# Allegro board BeagleBone_AI-64_Rev_B1_PCB_220602.brd (continued)
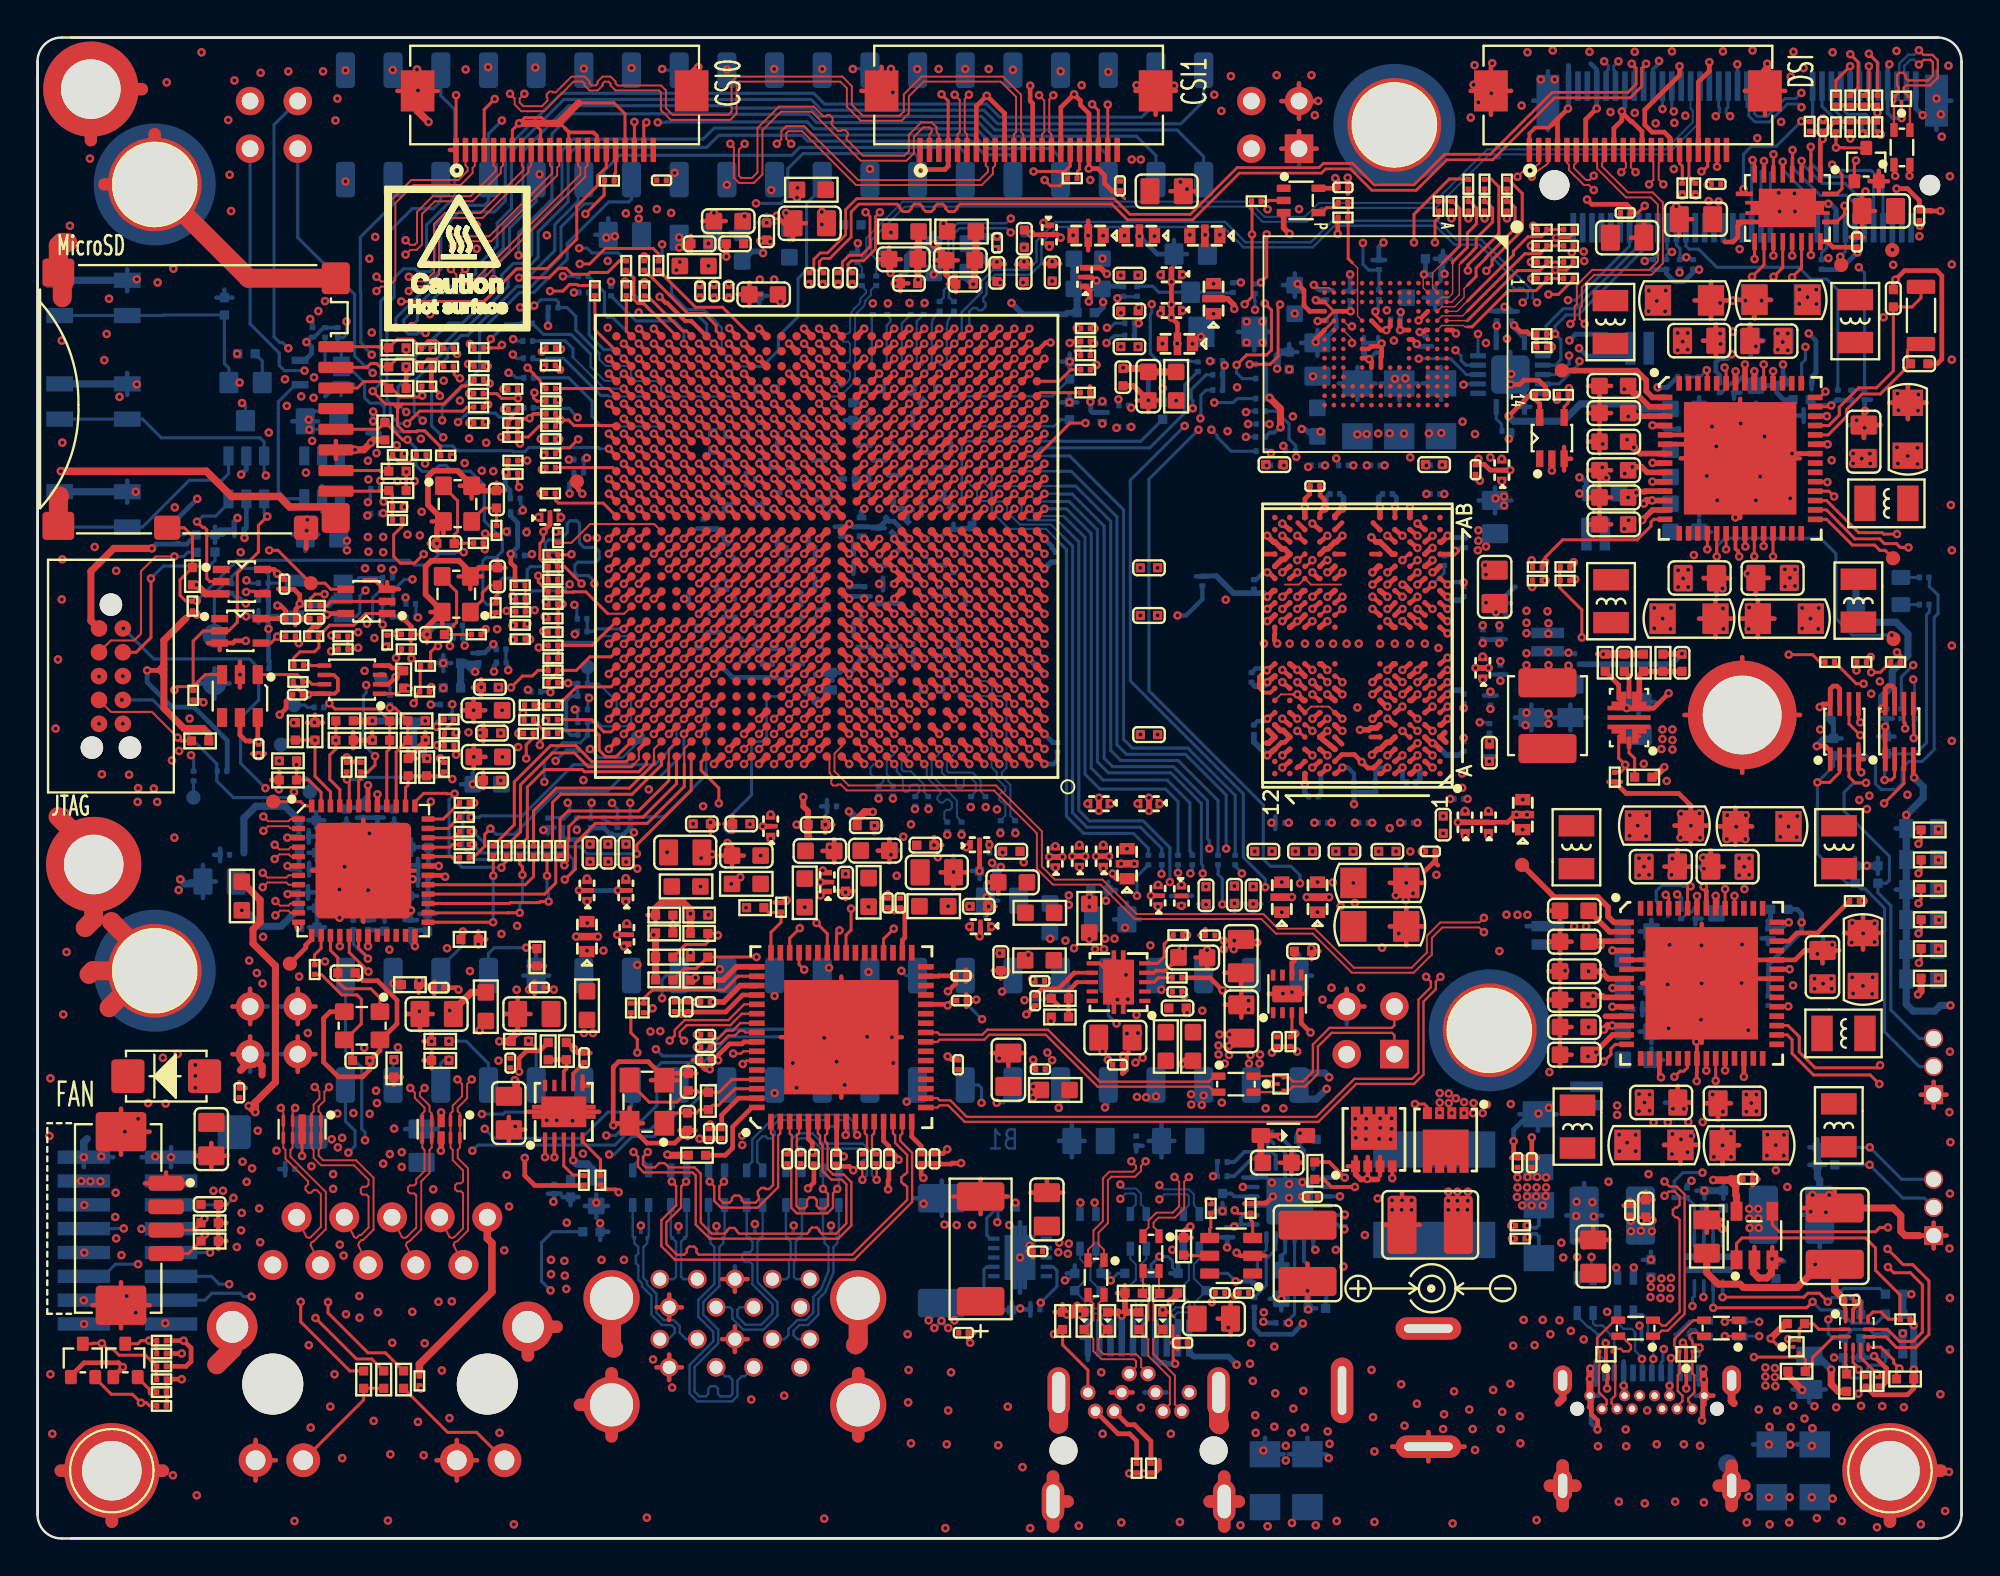
[diagram p0: board, top side]
## Placement (name value [footprint] x y rotation side) (continued)
R276  10K  [R0201]  60.76 32.16 180 top
R277  1.87K  [R0402]  54.46 27.79 0 top
R278  0R  [R0201]  29.69 66.5 90 top
R279  0R  [R0201]  30.46 72.37 0 top
R280  0R  [R0201]  31.36 67.85 90 top
R281  0R  [R0201]  31.37 66.5 90 top
R282  0R  [R0201]  32.32 67.85 90 top
R283  0R  [R0201]  32.33 66.49 90 top
R284  0R  [R0201]  33.08 67.85 90 top
R285  4.7K  [R0402]  33.39 33.23 180 top
R286  4.7K  [R0402]  33.39 32.28 0 top
R287  4.7K  [R0402]  33.39 29.77 0 top
R288  0R  [R0201]  31.61 28.28 90 top
R289  0R  [R0201]  32.29 28.28 90 top
R290  9.53K  [R0402]  35.13 20.43 0 top
R291  4.7K  [R0402]  35.24 33.23 180 top
R292  4.7K  [R0402]  35.24 32.25 180 top
R293  4.7K  [R0402]  35.24 30.99 180 top
R294  4.7K  [R0402]  35.24 29.76 180 top
R295  1M  [R0402]  35.74 23.32 90 top
R296  20K  [R0402]  38.23 33.62 0 top
R297  10K  [R0201]  39.61 33.65 270 top
R298  100K  [R0402]  54.61 11.6 90 top
R299  4.99K  [R0402]  54.46 28.79 180 top
R300  0R  [R0201]  55.12 72.5 0 top
R301  10K  [R0201]  55.81 61.07 0 top
R302  0R  [R0201]  55.83 64.5 0 top
R303  47K  [R0201]  55.83 63.79 0 top
R304  33R  [R0201]  55.83 63.06 0 top
R305  33R  [R0201]  55.83 62.3 0 top
R306  909K  [R0402]  96.38 8.3 90 top
R307  100K  [R0402]  58.39 13.07 180 top
R308  0R  [R0201]  58.55 3.75 90 top
R309  0R  [R0201]  59.32 3.75 90 top
R310  4.7K  [R0402]  33.39 30.99 0 top
R311  100K  [R0402]  60.25 13.07 180 top
R312  52.3K  [R0402]  61.06 15.57 90 top
R313  0R  [R0201]  98.08 8.38 90 top
R314  10K  [R0201]  62.5 17.59 270 top
R315  10K  [R0201]  64.63 17.6 90 top
R316  0R  [R0201]  64.93 71.28 0 top
R317  10K  [R0201]  66.75 26.48 270 top
R318  10R  [R0402]  68.04 19.6 270 top
R319  33R  [R0201]  69.54 71.19 0 top
R320  47K  [R0201]  69.54 70.41 0 top
R321  33R  [R0201]  74.63 71.01 90 top
R322  47K  [R0201]  75.32 71.01 90 top
R323  33R  [R0201]  76.22 72.18 270 top
R324  47K  [R0201]  76.22 71.01 90 top
R325  33R  [R0201]  77.09 72.18 270 top
R326  47K  [R0201]  77.09 71.01 90 top
R327  33R  [R0201]  78.28 72.18 270 top
R328  47K  [R0201]  78.28 71.01 90 top
R329  10K  [R0201]  79.9 51.77 0 top
R330  2.2K  [R0201]  79.9 51.06 0 top
R331  10K  [R0201]  80.13 64.2 0 top
R332  10K  [R0201]  80.13 63.49 0 top
R333  47K  [R0201]  80.15 69.77 0 top
R334  47K  [R0201]  80.15 68.9 0 top
R335  47K  [R0201]  80.15 68.03 0 top
R336  47K  [R0201]  80.15 67.16 0 top
R337  10K  [R0201]  81.28 60.96 0 top
R338  0R  [R0201]  81.37 51.78 180 top
R339  0R  [R0201]  81.37 51.06 180 top
R340  33R  [R0201]  81.55 69.77 180 top
R341  33R  [R0201]  81.55 68.9 180 top
R342  33R  [R0201]  81.55 68.03 180 top
R343  33R  [R0201]  81.55 67.16 180 top
R344  8.06K  [R0402]  83.51 46.68 90 top
R345  10K  [R0201]  84.02 40.58 270 top
R346  100K  [R0402]  85.55 46.68 90 top
R347  100K  [R0402]  85.55 40.58 180 top
R348  82.5K  [R0402]  86.59 46.68 270 top
R349  0R  [R0201]  87.62 71.98 90 top
R350  13K  [R0402]  98.91 9.85 180 bottom
R351  0R  [R0201]  88.31 71.98 90 top
R352  20K  [R0402]  98.91 10.91 180 bottom
R353  100K  [R0402]  98.5 42.28 90 bottom
R354  20K  [R0402]  98.91 11.95 180 bottom
R355  11K  [R0402]  98.91 13.02 180 bottom
R356  100K  [R0402]  95.68 42.18 90 bottom
R357  10K  [R0201]  94.41 75.26 270 top
R358  10K  [R0201]  95.81 76.66 90 top
R359  10K  [R0201]  95.81 75.24 270 top
R360  10K  [R0201]  96.57 76.66 90 top
R361  47K  [R0201]  96.57 75.24 270 top
R362  0R  [R0201]  96.79 33.98 180 top
R363  10K  [R0201]  97.3 76.66 90 top
R364  10K  [R0201]  97.3 75.24 270 top
R365  1K  [R0402]  100.8 29.86 0 top
R366  10K  [R0201]  98.02 76.66 90 top
R367  10K  [R0201]  98.02 75.24 270 top
R368  1K  [R0402]  100.8 37.77 0 top
R369  1K  [R0402]  100.8 36.17 0 top
R370  1K  [R0402]  100.8 34.64 0 top
R371  1K  [R0402]  100.8 32.98 0 top
R372  1K  [R0402]  100.8 31.44 0 top
R373  0R  [R0201]  99.29 43.96 270 bottom
R374  10K  [R0201]  6.6 9.86 180 top
R375  0R  [R0201]  100 43.96 270 bottom
R376  10K  [R0201]  6.6 8.49 180 top
R377  0R  [R0201]  10.34 50.64 270 bottom
R378  0R  [R0201]  97.18 46.71 0 top
R379  0R  [R0201]  98.98 46.71 0 top
R380  10K  [R0201]  97.39 8.38 90 top
R381  10K  [R0201]  99.49 11.69 180 top
R382  10K  [R0201]  6.6 7.8 180 top
R383  10K  [R0201]  6.6 7.07 180 top
R384  10K  [R0201]  6.6 10.55 180 top
R385  10K  [R0201]  6.6 9.17 180 top
R386  33R  [R0201]  16.83 32.7 90 bottom
R387  33R  [R0201]  18.78 44.69 90 bottom
R388  33R  [R0201]  14.99 44.3 180 bottom
R389  33R  [R0201]  13.85 40.82 270 bottom
R390  33R  [R0201]  14.23 42.55 180 bottom
R391  33R  [R0201]  8.32 40.64 270 bottom
R392  0R  [R0201]  78.99 15.98 0 top
R393  0R  [R0201]  78.99 16.68 0 top
R394  10K  [R0201]  98.04 8.37 90 bottom
R395  0R  [R0201]  86.61 33.52 180 bottom
R396  0R  [R0201]  94.26 61.59 180 bottom
R397  47K  [R0201]  100.51 49.78 0 bottom
R398  47K  [R0201]  100.51 51.22 0 bottom
R399  4.7K  [R0805]  88.92 16.09 90 top
R400  0R  [R1206]  67.65 3.08 90 bottom
SW1  Tactile Switch  [SW_4P]  2.98 66.12 0 bottom
SW2  Tactile Switch  [SW_4P]  2.98 60.6 0 bottom
SW3  Tactile Switch  [SW_4P]  2.98 54.85 0 bottom
TP1  Test Point  [TP30C_SMD]  16.84 33.86 90 bottom
TP2  Test Point  [TP30C_SMD]  36.9 37.91 90 bottom
TP3  Test Point  [TP30C_SMD]  31.99 42.71 180 bottom
TP4  Test Point  [TP30C_SMD]  29.3 46.45 180 bottom
TP5  Test Point  [TP30C_SMD]  12.55 39.27 0 top
TP6  Test Point  [TP30C_SMD]  13.44 30.64 0 top
TP7  Test Point  [TP30C_SMD]  14.56 50.92 270 top
TP8  Test Point  [TP30C_SMD]  28.73 56.33 0 top
TP9  Test Point  [TP30C_SMD]  79.08 35.9 270 top
TP10  Test Point  [TP30C_SMD]  81.2 62.26 270 top
TP11  Test Point  [TP30C_SMD]  96.09 67.89 180 top
TP12  Test Point  [TP30C_SMD]  98.8 68.67 180 top
TP13  Test Point  [TP30C_SMD]  98.87 47.94 180 top
TP14  Test Point  [TP30C_SMD]  98.85 52.25 270 top
TP15  Test Point  [TP60C_SMD]  9.42 48.11 90 bottom
TP16  Test Point  [TP60C_SMD]  9.42 45.57 90 bottom
TP17  Test Point  [TP30C_SMD]  18.31 45.82 90 bottom
TP18  Test Point  [TP30C_SMD]  13.66 44.42 90 bottom
TP19  Test Point  [TP30C_SMD]  14.5 39.8 90 bottom
TP20  Test Point  [TP30C_SMD]  12.97 42.31 180 bottom
TP21  Test Point  [TP30C_SMD]  8.3 39.49 90 bottom
U1  TPS2121RUXR  [VQFN12_0D5_2X2_5X1MM]  89.02 14.67 180 bottom
U2  TXS0104ERGYR  [QFN14_0D5_3_5X3_5X1MM]  78.46 62.04 270 bottom
U3  LM5141RGER  [VQFN24_0D5_4X4X1MM]  66.71 17.99 0 bottom
U4  TPS2561DRCR  [VSON10_0D5_3X3X1MM]  52.34 14.98 180 bottom
U5  TPS22918DBVR  [SOT23_6]  15.16 56.56 180 bottom
U6  SN74LVC1G08DCKR  [DCK5_2P15X1P4]  15.09 62.15 270 bottom
U7  24FC04HT-I/OT  [SOT23-5]  14.98 50.11 270 bottom
U8  MAX6817EUT+T  [SOT23_6]  11.12 56.56 0 bottom
U9  TPS74801DRCR  [VSON10_0D5_3X3X1MM]  28.03 22.74 90 top
U10  TPS3808G33DBVR  [SOT23_6]  10.78 44.9 180 top
U11  SN74LVC1G07DCKR  [DCK5_2P15X1P4]  10.8 48.38 270 top
U12  SN74LVC1G07DCKR  [DCK5_2P15X1P4]  10.88 51 270 top
U13  TPD4E05U06DQAR  [USON10_0D5_2D5X1X0D5MM]  14.09 21.81 180 top
U14  SN74LVC2G74DCUR  [SO8_0D5_2_3X2X0_9MM]  16.76 45.78 90 top
U15  DP83867CRRGZR  [QFN48_0D5_7X7MM]  17.35 35.6 0 top
U16  SN74LVC1G08DCKR  [DCK5_2P15X1P4]  17.52 49.95 90 top
U17  TPD4E05U06DQAR  [USON10_0D5_2D5X1X0D5MM]  21.5 21.81 180 top
U18  TPS74801DRCR  [VSON10_0D5_3X3X1MM]  57.59 29.65 180 top
U19  TDA4VM88TGBALFR  [FCBGA827_0D8_24X24X2_8MM]  42.04 52.88 180 top
U20  TUSB8041RGCR  [QFN64_0D5_9X9X1MM]  42.82 26.72 90 top
U21  TUSB322IRWBR  [X2QFN12_0D4_1_6X1_6X0_4MM]  96.92 10.95 0 top
U22  TPS2553DBVR  [SOT23_6]  63.59 15.07 90 top
U23  TPS22965DSGR  [WSON8_0D5_2X2X0_8MM]  66.57 29.03 90 top
U24  SN74LVC1G17DCKR  [SC70_5]  67.31 71.32 270 top
U25  Q3222PM1WDGTK-U  [BGA200_0D65_15X10X1MM]  70.31 47.59 90 top
U26  EMMC16G-TB29-PZ90  [BGA153_P14_P5_11P5X13]  71.81 63.66 270 top
U27  SN74LVC1G07DCKR  [DCK5_2P15X1P4]  80.67 58.65 0 top
U28  TPS62813QWRWYRQ1  [VQFNHR9_0D55_3X2X1MM]  84.78 43.76 180 top
U29  TPS65941111RWERQ1  [VQFN56_0D5_8X8X0_9MM]  88.65 29.59 0 top
U30  TPS65941213RWERQ1  [VQFN56_0D5_8X8X0_9MM]  90.7 57.57 0 top
U31  SN74LVC2G241DCUR  [U_8_DCU]  99.18 43.02 0 top
U32  TXB0108RGYR  [VQFN-20]  93.22 70.92 180 top
U33  SN74LVC2G241DCUR  [U_8_DCU]  96.25 43.01 0 top
U34  SN74CBTLV1G125DBVR  [SOT23-5]  91.46 16.15 0 top
X1  25MHz 18pF  [X4_SMD_2_5X2_0MM]  17.29 27.33 180 top
X2  19.2000MHz 8PF  [X4_SMD_2_5X2_0MM]  22.31 50.33 90 top
X3  22.5792MHz 8PF  [X4_SMD_2_5X2_0MM]  22.38 55.16 270 top
X4  24MHz 18pF  [X4-SMD-3_2X2_5X1_0MM]  32.46 23.28 90 top
X5  32.768kHz 12.5pF  [X2_SMD_3_2X1_5MM]  100.34 65.19 270 top

## Library data of the parts
C1-C85 C87-C94 C96-C107 C109 C111-C116 C118-C141 C143-C168 C170-C194 C196-C206 C208-C218 C220-C249 C251-C279 C281-C337 C339 C342-C344 C346 C348-C366 C369-C372 C376 C378-C387 C389-C391 C394-C409 C411 C414 C419-C421 C423-C425 C427-C430 C433 C434 C439 C440 C442 C443 C445-C453 C455-C460 C462-C470 C472 C475 C476 C478 C480-C530 C537-C557 = CC
C86 C95 C108 C110 C117 C169 C195 C207 C219 C250 C280 C338 C340 C341 C345 C347 C367 C374 C392 C393 C410 C412 C413 C415-C418 C422 C426 C431 C432 C435-C438 C441 C444 C454 C461 C471 C473 C474 C477 C479 = CC_EMIFIL_3P
C142 C388 = CT
C368 C373 C375 C377 C531-C536 = CC: signal model: CC_C0201_220NF_220nF
D1-D4 D19 D22-D35 D48 D49 D52 = DIODE TVS BI-DIR
D5 D13-D18 D40 D42-D47 = ESD122DMX
D6 D8-D12 D36-D39 = TPD1E05U06DPY
D7 = BZX84C6V8LT1G
D20 D21 = D
D41 D50 D51 = D_Schottky
FL1-FL26 = FB
J1 = Header_4+2P
J2 J3 = SIP3
J4 = PCIe_M.2_Key E_75Pin
J5 = USB3.0_Type C_24+4P
J6 = Power Jack: Tolerance: X; User Part Number: X
J7 = Mini Display Port_20Pin
J8 = USB3.0_Dual Type A_18+4P
J9 = RJ45_LPJG0933HENL
J10 = Header 2X8 1357
J11 = Header 2X5_1
J12 = MicroSD Card_10+4P
J13 J15 J16 = FPC 22+2P
L1 L3-L14 L26-L30 = CL
L2 L15-L25 = L
LED1-LED6 = Single LED
MH1-MH9 = MHole
P8 = Header 2x23
P9 = Header 2x25_SPE
Q1 = PMOS_123
Q2 Q3 = NMOS_5P_1S2S3S4G5D
Q4-Q6 = NMOS_123
R1-R121 R123-R189 R191-R197 R199-R204 R206 R209-R211 R217-R224 R226-R229 R231-R236 R238-R247 R250-R273 R276-R303 R306-R320 R322 R324 R326 R328-R339 R344-R385 R392-R400 = R
R122 R190 R198 R205 R207 R208 R212-R216 R225 R230 R237 R248 R249 R274 R275 R304 R305 R321 R323 R325 R327 R340-R343 R386-R391 = R: signal model: R_R0201_33R_33R
SW1-SW3 = Tactile Switch_4P
TP1-TP21 = Test Point
U1 = TPS2121
U2 = TXS0104E
U3 = LM5141RGE
U4 = TPS2561
U5 = TPS22918DBV
U6 U16 = SN74LVC1G08DCKR
U7 = MEM_24LC32_SOT23-5
U8 = MAX6817EUT
U9 U18 = TPS74801DRCR
U10 = TPS3808G33DBV
U11 U12 U27 = SN74LVC1G07DCK
U13 U17 = TPD4E05U06DQAR
U14 = SN74LVC2G74
U15 = DP83867CRRGZ
U19 = TDA4VM
U20 = TUSB8041
U21 = TUSB322IRWBR
U22 = TPS2553DBV
U23 = TPS22965DSG
U24 = SN74AUP1T17DCKR
U25 = LPDDR4_x32_VFBGA200
U26 = eMMC_5_1_153-ball_WFBGA
U28 = TPS62813-Q1
U29 U30 = TPS65941-Q1
U31 U33 = SN74LVC2G241
U32 = TXS0108E
U34 = SN74CBTLV1G125DBVR
X1-X4 = XTAL_4P
X5 = XTAL_2P

## Footprints (pads in the part's own frame, mm; a bottom-side part is the same pattern mirrored in y, then rotated)
AVX_C
  rrect 1.524x2.54 smd: 1(-2.794,0) 2(2.794,0)
BGA153_P14_P5_11P5X13
  round 0.254 smd: A1(-3.25,3.25) A2(-2.75,3.25) A3(-2.25,3.25) A4(-1.75,3.25) A5(-1.25,3.25) A6(-0.75,3.25) A7(-0.25,3.25) A8(0.25,3.25) A9(0.75,3.25) A10(1.25,3.25) A11(1.75,3.25) A12(2.25,3.25) A13(2.75,3.25) A14(3.25,3.25) B1(-3.25,2.75) B2(-2.75,2.75) B3(-2.25,2.75) B4(-1.75,2.75) B5(-1.25,2.75) B6(-0.75,2.75) B7(-0.25,2.75) B8(0.25,2.75) B9(0.75,2.75) B10(1.25,2.75) B11(1.75,2.75) B12(2.25,2.75) B13(2.75,2.75) B14(3.25,2.75) C1(-3.25,2.25) C2(-2.75,2.25) C3(-2.25,2.25) C4(-1.75,2.25) C5(-1.25,2.25) C6(-0.75,2.25) C7(-0.25,2.25) C8(0.25,2.25) C9(0.75,2.25) C10(1.25,2.25) C11(1.75,2.25) C12(2.25,2.25) C13(2.75,2.25) C14(3.25,2.25) D1(-3.25,1.75) D2(-2.75,1.75) D3(-2.25,1.75) D4(-1.75,1.75) D12(2.25,1.75) D13(2.75,1.75) D14(3.25,1.75) E1(-3.25,1.25) E2(-2.75,1.25) E3(-2.25,1.25) E5(-1.25,1.25) E6(-0.75,1.25) E7(-0.25,1.25) E8(0.25,1.25) E9(0.75,1.25) E10(1.25,1.25) E12(2.25,1.25) E13(2.75,1.25) E14(3.25,1.25) F1(-3.25,0.75) F2(-2.75,0.75) F3(-2.25,0.75) F5(-1.25,0.75) F10(1.25,0.75) F12(2.25,0.75) F13(2.75,0.75) F14(3.25,0.75) G1(-3.25,0.25) G2(-2.75,0.25) G3(-2.25,0.25) G5(-1.25,0.25) G10(1.25,0.25) G12(2.25,0.25) G13(2.75,0.25) G14(3.25,0.25) H1(-3.25,-0.25) H2(-2.75,-0.25) H3(-2.25,-0.25) H5(-1.25,-0.25) H10(1.25,-0.25) H12(2.25,-0.25) H13(2.75,-0.25) H14(3.25,-0.25) J1(-3.25,-0.75) J2(-2.75,-0.75) J3(-2.25,-0.75) J5(-1.25,-0.75) J10(1.25,-0.75) J12(2.25,-0.75) J13(2.75,-0.75) J14(3.25,-0.75) K1(-3.25,-1.25) K2(-2.75,-1.25) K3(-2.25,-1.25) K5(-1.25,-1.25) K6(-0.75,-1.25) K7(-0.25,-1.25) K8(0.25,-1.25) K9(0.75,-1.25) K10(1.25,-1.25) K12(2.25,-1.25) K13(2.75,-1.25) K14(3.25,-1.25) L1(-3.25,-1.75) L2(-2.75,-1.75) L3(-2.25,-1.75) L12(2.25,-1.75) L13(2.75,-1.75) L14(3.25,-1.75) M1(-3.25,-2.25) M2(-2.75,-2.25) M3(-2.25,-2.25) M4(-1.75,-2.25) M5(-1.25,-2.25) M6(-0.75,-2.25) M7(-0.25,-2.25) M8(0.25,-2.25) M9(0.75,-2.25) M10(1.25,-2.25) M11(1.75,-2.25) M12(2.25,-2.25) M13(2.75,-2.25) M14(3.25,-2.25) N1(-3.25,-2.75) N2(-2.75,-2.75) N3(-2.25,-2.75) N4(-1.75,-2.75) N5(-1.25,-2.75) N6(-0.75,-2.75) N7(-0.25,-2.75) N8(0.25,-2.75) N9(0.75,-2.75) N10(1.25,-2.75) N11(1.75,-2.75) N12(2.25,-2.75) N13(2.75,-2.75) N14(3.25,-2.75) P1(-3.25,-3.25) P2(-2.75,-3.25) P3(-2.25,-3.25) P4(-1.75,-3.25) P5(-1.25,-3.25) P6(-0.75,-3.25) P7(-0.25,-3.25) P8(0.25,-3.25) P9(0.75,-3.25) P10(1.25,-3.25) P11(1.75,-3.25) P12(2.25,-3.25) P13(2.75,-3.25) P14(3.25,-3.25)
BGA200_0D65_15X10X1MM
  round 0.305 smd: A1(-6.825,-4.4) A2(-6.825,-3.6) A3(-6.825,-2.8) A4(-6.825,-2) A5(-6.825,-1.2) A8(-6.825,1.2) A9(-6.825,2) A10(-6.825,2.8) A11(-6.825,3.6) A12(-6.825,4.4) AA1(6.175,-4.4) AA2(6.175,-3.6) AA3(6.175,-2.8) AA4(6.175,-2) AA5(6.175,-1.2) AA8(6.175,1.2) AA9(6.175,2) AA10(6.175,2.8) AA11(6.175,3.6) AA12(6.175,4.4) AB1(6.825,-4.4) AB2(6.825,-3.6) AB3(6.825,-2.8) AB4(6.825,-2) AB5(6.825,-1.2) AB8(6.825,1.2) AB9(6.825,2) AB10(6.825,2.8) AB11(6.825,3.6) AB12(6.825,4.4) B1(-6.175,-4.4) B2(-6.175,-3.6) B3(-6.175,-2.8) B4(-6.175,-2) B5(-6.175,-1.2) B8(-6.175,1.2) B9(-6.175,2) B10(-6.175,2.8) B11(-6.175,3.6) B12(-6.175,4.4) C1(-5.525,-4.4) C2(-5.525,-3.6) C3(-5.525,-2.8) C4(-5.525,-2) C5(-5.525,-1.2) C8(-5.525,1.2) C9(-5.525,2) C10(-5.525,2.8) C11(-5.525,3.6) C12(-5.525,4.4) D1(-4.875,-4.4) D2(-4.875,-3.6) D3(-4.875,-2.8) D4(-4.875,-2) D5(-4.875,-1.2) D8(-4.875,1.2) D9(-4.875,2) D10(-4.875,2.8) D11(-4.875,3.6) D12(-4.875,4.4) E1(-4.225,-4.4) E2(-4.225,-3.6) E3(-4.225,-2.8) E4(-4.225,-2) E5(-4.225,-1.2) E8(-4.225,1.2) E9(-4.225,2) E10(-4.225,2.8) E11(-4.225,3.6) E12(-4.225,4.4) F1(-3.575,-4.4) F2(-3.575,-3.6) F3(-3.575,-2.8) F4(-3.575,-2) F5(-3.575,-1.2) F8(-3.575,1.2) F9(-3.575,2) F10(-3.575,2.8) F11(-3.575,3.6) F12(-3.575,4.4) G1(-2.925,-4.4) G2(-2.925,-3.6) G3(-2.925,-2.8) G4(-2.925,-2) G5(-2.925,-1.2) G8(-2.925,1.2) G9(-2.925,2) G10(-2.925,2.8) G11(-2.925,3.6) G12(-2.925,4.4) H1(-2.275,-4.4) H2(-2.275,-3.6) H3(-2.275,-2.8) H4(-2.275,-2) H5(-2.275,-1.2) H8(-2.275,1.2) H9(-2.275,2) H10(-2.275,2.8) H11(-2.275,3.6) H12(-2.275,4.4) J1(-1.625,-4.4) J2(-1.625,-3.6) J3(-1.625,-2.8) J4(-1.625,-2) J5(-1.625,-1.2) J8(-1.625,1.2) J9(-1.625,2) J10(-1.625,2.8) J11(-1.625,3.6) J12(-1.625,4.4) K1(-0.975,-4.4) K2(-0.975,-3.6) K3(-0.975,-2.8) K4(-0.975,-2) K5(-0.975,-1.2) K8(-0.975,1.2) K9(-0.975,2) K10(-0.975,2.8) K11(-0.975,3.6) K12(-0.975,4.4) N1(0.975,-4.4) N2(0.975,-3.6) N3(0.975,-2.8) N4(0.975,-2) N5(0.975,-1.2) N8(0.975,1.2) N9(0.975,2) N10(0.975,2.8) N11(0.975,3.6) N12(0.975,4.4) P1(1.625,-4.4) P2(1.625,-3.6) P3(1.625,-2.8) P4(1.625,-2) P5(1.625,-1.2) P8(1.625,1.2) P9(1.625,2) P10(1.625,2.8) P11(1.625,3.6) P12(1.625,4.4) R1(2.275,-4.4) R2(2.275,-3.6) R3(2.275,-2.8) R4(2.275,-2) R5(2.275,-1.2) R8(2.275,1.2) R9(2.275,2) R10(2.275,2.8) R11(2.275,3.6) R12(2.275,4.4) T1(2.925,-4.4) T2(2.925,-3.6) T3(2.925,-2.8) T4(2.925,-2) T5(2.925,-1.2) T8(2.925,1.2) T9(2.925,2) T10(2.925,2.8) T11(2.925,3.6) T12(2.925,4.4) U1(3.575,-4.4) U2(3.575,-3.6) U3(3.575,-2.8) U4(3.575,-2) U5(3.575,-1.2) U8(3.575,1.2) U9(3.575,2) U10(3.575,2.8) U11(3.575,3.6) U12(3.575,4.4) V1(4.225,-4.4) V2(4.225,-3.6) V3(4.225,-2.8) V4(4.225,-2) V5(4.225,-1.2) V8(4.225,1.2) V9(4.225,2) V10(4.225,2.8) V11(4.225,3.6) V12(4.225,4.4) W1(4.875,-4.4) W2(4.875,-3.6) W3(4.875,-2.8) W4(4.875,-2) W5(4.875,-1.2) W8(4.875,1.2) W9(4.875,2) W10(4.875,2.8) W11(4.875,3.6) W12(4.875,4.4) Y1(5.525,-4.4) Y2(5.525,-3.6) Y3(5.525,-2.8) Y4(5.525,-2) Y5(5.525,-1.2) Y8(5.525,1.2) Y9(5.525,2) Y10(5.525,2.8) Y11(5.525,3.6) Y12(5.525,4.4)
C0201
  rrect 0.279x0.318 smd: 1(-0.255,0) 2(0.255,0)
C0402
  rrect 0.5x0.5 smd: 1(-0.463,0) 2(0.463,0)
C0603
  rrect 0.889x0.889 smd: 1(-0.762,0) 2(0.762,0)
C0805
  rrect 1.016x1.397 smd: 1(-0.889,0) 2(0.889,0)
C1206
  rect 1.397x1.626 smd: 1(-1.41,0) 2(1.41,0)
C1210
  rrect 1.55x3.1 smd: 1(-1.5,0) 2(1.5,0)
CON3B35X60
  rect 1.016x1.016 hole 0.813: 1(-1.5,0.45)
  round 1.016 hole 0.813: 2(0,0.45) 3(1.5,0.45)
CON_MINIPEX_067_SMT_RA_M2_KEYE_C
  round 1.1 hole 1.1 unplated: (-10,-1.636)
  round 1.6 hole 1.6 unplated: (10,-1.636)
  rect 0.305x1.575 smd: 1(-9.25,3.639) 2(-9,-3.911) 3(-8.75,3.639) 4(-8.5,-3.911) 5(-8.25,3.639) 6(-8,-3.911) 7(-7.75,3.639) 8(-7.5,-3.911) 9(-7.25,3.639) 10(-7,-3.911) 11(-6.75,3.639) 12(-6.5,-3.911) 13(-6.25,3.639) 14(-6,-3.911) 15(-5.75,3.639) 16(-5.5,-3.911) 17(-5.25,3.639) 18(-5,-3.911) 19(-4.75,3.639) 20(-4.5,-3.911) 21(-4.25,3.639) 22(-4,-3.911) 23(-3.75,3.639) 32(-1.5,-3.911) 33(-1.25,3.639) 34(-1,-3.911) 35(-0.75,3.639) 36(-0.5,-3.911) 37(-0.25,3.639) 38(0,-3.911) 39(0.25,3.639) 40(0.5,-3.911) 41(0.75,3.639) 42(1,-3.911) 43(1.25,3.639) 44(1.5,-3.911) 45(1.75,3.639) 46(2,-3.911) 47(2.25,3.639) 48(2.5,-3.911) 49(2.75,3.639) 50(3,-3.911) 51(3.25,3.639) 52(3.5,-3.911) 53(3.75,3.639) 54(4,-3.911) 55(4.25,3.639) 56(4.5,-3.911) 57(4.75,3.639) 58(5,-3.911) 59(5.25,3.639) 60(5.5,-3.911) 61(5.75,3.639) 62(6,-3.911) 63(6.25,3.639) 64(6.5,-3.911) 65(6.75,3.639) 66(7,-3.911) 67(7.25,3.639) 68(7.5,-3.911) 69(7.75,3.639) 70(8,-3.911) 71(8.25,3.639) 72(8.5,-3.911) 73(8.75,3.639) 74(9,-3.911) 75(9.25,3.639)
  rect 1.219x2.769 smd: 76(-10.35,2.864) 77(10.35,2.864)
CONN3-PWR-DC630
  oval 1.2x3.5 hole 0.45x2.6: 1(0,0.1) 2(6.294,0.1)
  oval 3.5x1.2 hole 2.6x0.45: 3(3.297,4.699)
CONNECT10_1D27_12_4X6_7MM
  round 1.2 hole 1.2 unplated: (-3.81,0) (3.81,1.015) (3.81,-1.015)
  round 0.89 smd: 1(-2.54,-0.635) 2(-1.27,-0.635) 3(0,-0.635) 4(1.27,-0.635) 5(2.54,-0.635) 6(2.54,0.635) 7(1.27,0.635) 8(0,0.635) 9(-1.27,0.635) 10(-2.54,0.635)
D0402
  rrect 0.5x0.5 smd: 1(-0.463,0) 2(0.463,0)
D0402_1C2A
  rrect 0.5x0.5 smd: 1(-0.463,0) 2(0.463,0)
DCK5_2P15X1P4
  rect 0.4x0.9 smd: 1(-0.65,-1.1) 2(0,-1.1) 3(0.65,-1.1) 4(0.65,1.1) 5(-0.65,1.1)
DO_214AC_SMA
  rrect 1.77x1.8 smd: 1(-2.042,0) 2(2.042,0)
DP20_0D6_9_8X11_8X5_9MM
  round 1.5 hole 1.5 unplated: (-4,0) (4,0)
  rrect 0.35x2 smd: 1(2.7,6) 3(2.1,6) 5(1.5,6) 7(0.9,6) 9(0.3,6) 11(-0.3,6) 13(-0.9,6) 15(-1.5,6) 17(-2.1,6) 19(-2.7,6)
  round 0.813 hole 0.508: 2(2.7,3.09) 4(2.3,2.09) 6(1.3,2.09) 8(0.9,3.09) 10(0.5,4.09) 12(-0.5,4.09) 14(-0.9,3.09) 16(-1.3,2.09) 18(-2.3,2.09) 20(-2.7,3.09)
  oval 1.2x2.3 hole 0.7x1.8: SH1(-4.56,-2.72) SH2(4.56,-2.72)
  oval 1.2x2.7 hole 0.7x2.2: SH3(-4.26,3.09) SH4(4.26,3.09)
EMIFIL_0402_3P
  rect 0.305x0.508 smd: 1(-0.5,0) 3(0.5,0)
  rect 0.254x0.762 smd: 2(0,0)
EMIFIL_0603_3P
  rect 0.61x0.813 smd: 1(-0.8,0) 3(0.8,0)
  rect 0.406x1.219 smd: 2(0,0)
FCBGA827_0D8_24X24X2_8MM